# KiCad board sswkbd_right.kicad_pcb (continued)
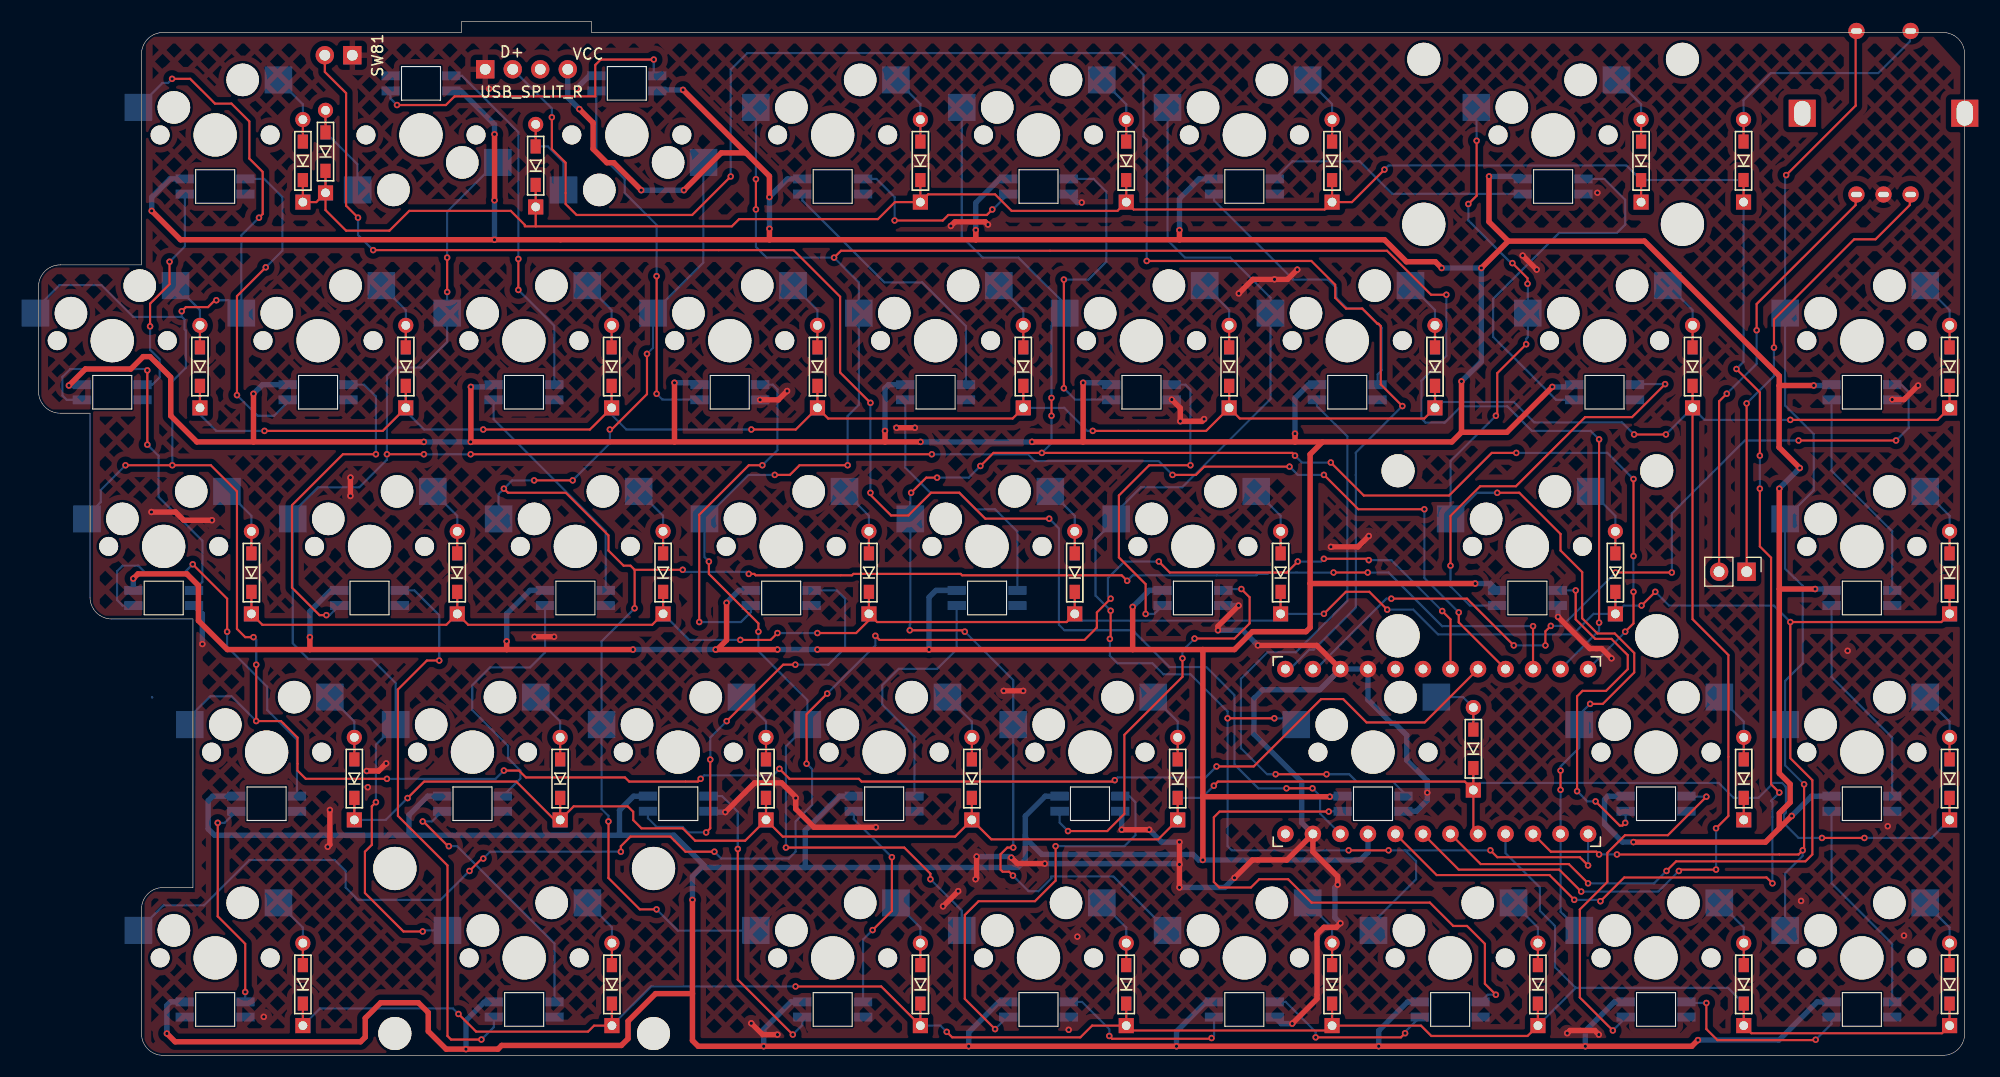
[diagram p0: board, top side]
## Routing (per net, layer and track width the routed paths; a pad name or vN(x,y) marks a point on that pad's centre or on a via; arc(x,y) is an arc through that point) (continued)
(no net): length 0.1
  Bottom w0.2: 10.47,33.05 10.47,33.08 10.49,33.05
col_r_0: length 116.3
  Top w0.2: v1(145.69,18.55) 162.46,18.55 v1(162.84,18.93) 162.97,19.06 v1(162.97,25.03) ; v1(144.04,18.55) 143.79,18.81 139.59,18.81 U2.15 ; 167.8,94.16 167.73,94.16 167.73,87.7 v1(161.31,81.29)
  Bottom w0.2: v1(161.31,81.29) 161.21,81.19 161.21,60.01 163.86,57.37 163.86,52.18 SW48.1 161.21,44.94 162.08,44.08 162.12,44.08 162.84,43.36 162.84,36.2 161.21,34.58 161.21,26.78 v1(162.97,25.03) ; 161.21,11.51 161.21,16.8 162.84,18.42 v1(162.84,18.93) ; v1(144.04,18.55) v1(145.69,18.55)
col_r_1: length 100.9
  Top w0.2: v1(131.98,78.62) 132.74,79.38 v1(132.74,84.46) ; v1(134.52,59.06) 134.64,59.19 134.64,63 v1(137.31,65.67) ; v1(137.44,71.26) 137.44,71.76 v1(136.04,73.16) ; v1(134.64,51.95) 136.68,51.95 140.49,48.14 140.49,46.62 142.48,44.62 142.48,40.36 143.89,38.96 145.49,38.96 147.29,37.16 147.29,35.36 144.39,32.46 v1(143.22,32.46) ; v1(140.49,24.52) v1(140.49,26.3)
  Bottom w0.2: v1(143.22,32.46) 142.21,31.46 142.21,28.41 140.49,26.68 v1(140.49,26.3) ; v1(137.31,65.67) 137.31,66.18 137.46,66.33 137.46,71.23 v1(137.44,71.26) ; v1(134.64,51.95) 132.78,51.95 130.37,49.54 130.34,49.54 130.34,54.89 v1(134.52,59.06) ; v1(140.49,24.52) U2.14 140.49,13.27 SW78.1 ; v1(136.04,73.16) 135.92,73.16 131.98,77.1 v1(131.98,78.62) ; v1(132.74,84.46) 132.74,87.54
col_r_2: length 145
  Top w0.2: v1(124.61,18.93) v1(120.93,18.93) ; v1(143.03,17.54) 142.26,18.3 134.64,18.3 v1(134.01,18.93) ; v1(109.75,31.12) v1(114.07,31.12) ; v1(98.96,41.06) 98.96,38.53 v1(98.89,38.46)
  Bottom w0.2: 123.21,11.51 123.21,12.33 127.15,16.27 127.15,17.92 126.14,18.93 ; 116.12,30.54 SW62.1 115.5,31.12 v1(114.07,31.12) ; v1(98.89,38.46) 98.89,36.91 99.59,36.2 102.82,36.2 103.83,35.19 106.32,35.19 109.75,31.76 v1(109.75,31.12) 109.75,19.31 110.13,18.93 v1(120.93,18.93) ; v1(143.03,17.54) U2.13 ; 126.14,18.93 v1(134.01,18.93) ; 126.14,18.93 v1(124.61,18.93) ; v1(98.96,41.06) 97.56,42.46 97.56,47.64 SW46.1 99.46,50.17 101.75,52.46 105.56,52.46 113.71,60.61 113.71,69.96 110.01,73.67 105.82,73.67 104.21,75.27 104.21,87.56
col_r_3: length 192.8
  Top w0.2: v1(119.28,54.75) 122.33,51.7 130.2,51.7 134.14,55.64 v1(136.4,55.64) ; v1(86.94,54.43) 88.14,55.64 v1(92.61,55.64) 115.72,55.64 v1(115.98,55.38) ; v1(80.54,51.95) 81.94,53.35 v1(82.94,53.35) ; v1(147.22,53.22) v1(147.22,46.11) ; v1(147.22,42.81) 147.22,39.89 v1(146.46,39.13) ; v1(80.42,39.25) 85.37,39.25 v1(85.5,39.13) ; v1(89.94,16.6) 89.58,16.96 88.99,16.96 88.79,17.16 88.79,18.56 89.41,19.19 v1(89.96,19.19) ; v1(93.5,59.06) v1(93.5,60.72)
  Bottom w0.2: v1(93.5,59.06) 93.5,56.52 v1(92.61,55.64) ; v1(136.4,55.64) 144.81,55.64 v1(147.22,53.22) ; v1(82.94,53.35) 85.86,53.35 v1(86.94,54.43) ; v1(80.42,39.25) 80.42,39.76 80.46,39.81 SW45.1 80.46,51.87 v1(80.54,51.95) ; v1(147.22,46.11) v1(147.22,42.81) ; v1(93.5,60.72) 93.5,67.35 94.71,68.56 94.71,69.4 90.45,73.67 87.15,73.67 85.21,75.6 85.21,87.56 ; v1(89.94,16.6) 91.38,15.16 92.29,15.16 93.49,16.36 93.49,16.52 99.21,16.52 104.19,11.54 SW76.1 ; v1(119.28,54.75) 116.61,54.75 v1(115.98,55.38) ; v1(85.5,39.13) 89.96,34.66 v1(89.96,19.19) ; U2.12 146.46,39.1 v1(146.46,39.13) ; 104.21,11.51 104.21,12.38
col_r_4: length 224.2
  Top w0.2: v1(67.95,53.6) 69.35,53.6 70.24,54.49 v1(74.68,54.49) ; v1(73.43,73.67) 74.07,74.3 124.47,74.3 128.53,70.24 v1(129.95,70.24) ; v1(144.04,56.89) v1(144.04,39.96) ; v1(68.99,19.19) 79.91,19.19 82.32,16.77 v1(82.32,16.27) ; v1(61.87,45.6) 61.87,44.46 66.45,39.89 v1(66.45,39.13) ; v1(66.21,80.91) v1(66.21,78.11)
  Bottom w0.2: v1(66.21,80.91) SW11.1 ; v1(61.87,45.6) 61.47,46.01 SW44.1 65.53,53.6 v1(67.95,53.6) ; 85.21,11.51 85.21,13.37 v1(82.32,16.27) ; v1(129.95,70.24) 129.95,64.6 127.64,62.3 127.64,58.81 128.02,58.43 129.8,58.43 131.31,59.93 135.57,59.93 137.84,57.67 143.26,57.67 v1(144.04,56.89) ; U2.11 144.04,39.23 v1(144.04,39.96) ; v1(68.99,19.19) 68.99,28.54 70.96,30.51 70.96,32.81 66.45,37.33 v1(66.45,39.13) ; v1(74.68,54.49) 74.68,59.05 75.71,60.08 75.71,71.39 v1(73.43,73.67) 67.21,73.67 66.21,74.66 v1(66.21,78.11)
col_r_5: length 195.5
  Top w0.2: 55.02,44.84 54.63,45.22 54,45.22 52.6,46.62 52.6,48.02 48.67,51.95 43.33,51.95 v1(42.95,52.33) ; 55.02,44.84 v1(59.46,44.84) ; 55.02,44.84 v1(55.02,41.28) ; v1(52.73,57.79) 52.89,57.79 56.16,61.06 v1(56.16,64.78) ; v1(45.75,53.1) v1(49.3,53.1) ; v1(100.48,43.82) 99.97,44.33 85.24,44.33 85.12,44.46 75.21,44.46 75.08,44.33 66.19,44.33 66.06,44.46 v1(65.56,44.46) ; v1(57.04,13.48) 55.5,13.48 52.6,16.37 v1(52.6,21.6) ; v1(119.53,44.59) v1(122.69,44.59) ; v1(137.95,39.63) U2.10
  Bottom w0.2: 66.19,11.54 66.19,11.54 SW74.1 66.19,11.51 59,11.51 v1(57.04,13.48) ; v1(56.16,64.78) 56.72,65.34 56.72,68.56 61.36,73.21 61.36,82.46 ; v1(45.75,53.1) 43.71,53.1 v1(42.95,52.33) 42.47,51.85 SW43.1 ; v1(119.53,44.59) 113.56,44.59 113.44,44.46 112.55,44.46 112.42,44.33 100.99,44.33 v1(100.48,43.82) ; v1(65.56,44.46) 65.36,44.66 59.65,44.66 v1(59.46,44.84) ; v1(52.6,21.6) 52.6,22.11 51.97,22.75 51.97,38.23 v1(55.02,41.28) ; v1(137.95,39.63) 129.56,39.63 124.61,44.59 v1(122.69,44.59) ; v1(52.73,57.79) 52.73,56.52 v1(49.3,53.1)
col_r_6: length 213.2
  Top w0.2: v1(115.47,54.37) 107.59,54.37 106.83,53.6 v1(104.67,53.6) ; v1(118.64,53.6) 121.82,50.43 v1(127.91,50.43) ; v1(39.88,55.51) v1(82.45,55.51) ; U2.9 131.09,39.99 v1(131.09,40.9) ; v1(31.14,23.38) 30.76,23 30.76,19.44 30.12,18.81 30.12,15 33.68,11.44 v1(35.46,11.44) ; v1(32.16,55.51) v1(35.57,55.51) ; v1(37.72,73.67) v1(37.72,70.49)
  Bottom w0.2: v1(115.47,54.37) 116.23,53.6 v1(118.64,53.6) 118.52,53.6 ; v1(82.45,55.51) 91.34,55.51 91.97,54.87 103.4,54.87 v1(104.67,53.6) ; v1(37.72,73.67) 37.72,77.91 42.26,82.46 42.36,82.46 42.36,82.48 ; v1(131.09,40.9) 127.91,44.08 v1(127.91,50.43) ; v1(39.88,55.51) v1(35.57,55.51) ; v1(31.14,23.38) 31.14,28.69 32.97,30.51 32.97,34.38 30.76,36.59 24.92,36.59 23.47,38.04 SW42.1 23.47,50.12 25.81,52.46 29.62,52.46 32.16,55 v1(32.16,55.51) 32.16,62.75 32.92,63.51 35.33,63.51 37.72,65.89 v1(37.72,70.49) ; v1(35.46,11.44) 35.56,11.54 SW73.1
col_r_7: length 242.1
  Top w0.2: v1(12.32,90.18) 14,90.18 16.28,87.89 17.81,87.89 19.46,86.24 19.46,82.81 20.69,81.58 20.69,77.69 v1(20.34,77.35) ; U2.8 127.94,30.74 122.58,30.74 120.42,32.9 118.39,32.9 112.17,26.68 v1(108.74,26.68) ; v1(8.03,54.49) 15.9,54.49 18.31,52.08 18.31,39.38 19.07,38.62 v1(19.84,38.62) ; v1(32.16,25.54) 24.66,25.54 23.9,26.3 23.9,29.35 22.38,30.87 v1(20.09,30.87) v1(20.09,36.08) ; v1(99.34,25.41) 99.21,25.28 75.97,25.28 75.72,25.54 69.31,25.54 v1(68.39,26.46) ; v1(16.41,69.73) 16.28,69.73 15.65,69.1 13.59,69.1 v1(13.21,68.72) ; v1(42.95,26.3) 44.35,26.3 44.98,25.66 54.13,25.66 54.51,25.28 60.86,25.28 v1(61.11,25.54)
  Bottom w0.2: v1(108.74,26.68) 107.72,25.66 99.59,25.66 v1(99.34,25.41) ; v1(20.09,30.87) 17.81,33.16 15.85,33.16 14.29,31.59 14.29,30.51 ; v1(20.34,77.35) 18.72,75.72 SW25.1 17.52,69.73 v1(16.41,69.73) ; 13.21,68.21 13.19,68.19 8.74,68.19 5.8,71.13 1.93,71.13 0.04,69.24 0.04,68.56 ; 13.21,68.21 13.47,67.95 13.47,67.07 13.59,66.94 13.59,63.49 12.34,62.24 v1(12.34,54.49) ; 13.21,68.21 v1(13.21,68.72) ; v1(32.16,25.54) 42.19,25.54 v1(42.95,26.3) ; v1(20.09,36.08) 20.09,38.36 v1(19.84,38.62) ; v1(12.32,90.18) 11.94,89.8 11.44,89.8 9.6,87.96 ; 4.79,49.54 4.79,50.14 5.74,51.09 5.74,52.21 v1(8.03,54.49) ; 132.87,35.19 U2.8 ; v1(68.39,26.46) 67.79,25.86 61.44,25.86 v1(61.11,25.54)
col_r_8: length 159.3
  Top w0.2: v1(39.78,17.03) 40.92,18.17 v1(41.05,18.17) ; v1(129.56,41.03) 130.33,40.27 U2.7 ; v1(77.24,38.74) 77.62,38.36 96.55,38.36 97.69,39.51 97.69,40.9 v1(98.96,42.17) ; v1(72.8,33.41) 70.89,31.51 v1(70.89,26.93) ; v1(118.64,45.86) 122.66,45.86 v1(122.79,45.73) ; v1(62.38,18.81) 59.72,18.81 58.32,20.2 54.63,20.2 53.75,19.31 v1(53.75,18.81) ; v1(116.23,45.6) 115.21,44.59 104.42,44.59 v1(103.4,45.6)
  Bottom w0.2: v1(72.8,33.41) 77.24,37.86 v1(77.24,38.74) ; v1(41.05,18.17) 41.68,18.81 v1(53.75,18.81) ; v1(62.38,18.81) 63.02,18.17 69.24,18.17 69.88,18.81 69.88,21.6 71.4,23.12 71.4,26.43 v1(70.89,26.93) ; v1(116.23,45.6) 118.39,45.6 v1(118.64,45.86) ; 9.59,11.51 9.59,11.91 11.53,13.85 15.26,13.85 19.46,18.04 27.33,18.04 28.35,17.03 28.35,15.5 29.49,14.36 37.11,14.36 v1(39.78,17.03) ; v1(129.56,41.03) 124.87,45.73 v1(122.79,45.73) ; v1(98.96,42.17) 98.7,42.43 98.7,44.08 100.23,45.6 v1(103.4,45.6)
LED_R: length 76.9
  Top w0.2: v1(171.46,56.78) v1(162.46,56.78) ; v1(139.09,37.86) 139.09,39.16 v1(139.59,39.66) ; v1(136.17,37.86) 131.85,42.17 v1(124.87,42.17) ; v1(150.75,44.59) v1(145.57,44.59)
  Bottom w0.2: 171.1,61.96 171.12,61.94 171.92,61.94 172.62,61.24 172.62,57.94 v1(171.46,56.78) ; v1(162.46,56.78) 157.49,56.78 150.75,50.05 v1(150.75,44.59) ; U2.2 117.9,35.67 124.4,42.17 v1(124.87,42.17) ; v1(139.59,39.66) 140.64,39.66 v1(145.57,44.59) ; v1(139.09,37.86) v1(136.17,37.86)
row5: length 279.9
  Top w0.2: v1(156.72,63.38) 158.88,61.22 v1(158.88,55.38) ; D9.1 25.63,78.8 D8.1 D8.1 ; D9.1 D9.1 ; D9.1 26.49,78.06 28.39,76.16 32.39,76.16 34.22,77.99 43.59,77.99 44.89,76.69 44.89,76.56 45.89,76.56 ; U2.20 129.05,16.65 139.47,16.65 v1(141.76,14.36) ; v1(124.23,81.8) 121.23,78.8 D13.1 ; D12.1 D12.1 ; D12.1 99.59,77.99 89.81,77.99 88.29,79.51 82.11,79.51 D11.1 ; D12.1 101.08,78.11 118.72,78.11 D13.1 ; D14.1 D14.1 ; v1(158.88,52.33) 158.88,47 159.92,45.96 159.92,25.03 v1(160.68,24.27) ; 45.89,76.56 D10.1 D10.1 ; 45.89,76.56 64,76.56 64.66,77.23 77.48,77.23 79.05,78.8 D11.1 ; D15.1 D15.1 ; D11.1 D11.1 ; D13.1 D13.1 ; v1(160.05,15.88) 159.5,16.43 146.36,16.43 v1(144.17,14.23)
  Bottom w0.2: v1(144.17,14.23) 144.04,14.36 v1(141.76,14.36) ; D13.1 D13.1 ; 157.37,80.83 D15.1 ; D15.1 D15.1 157.38,64.04 v1(156.72,63.38) ; D15.1 147.93,80.84 D14.1 ; D14.1 D14.1 ; D14.1 146.57,82.18 124.61,82.18 v1(124.23,81.8) ; v1(158.88,55.38) v1(158.88,52.33) ; v1(160.68,24.27) 159.92,23.5 160.05,23.38 v1(160.05,15.88) ; D11.1 D11.1 ; D8.1 D8.1 ; D10.1 D10.1 ; D9.1 D9.1 ; D12.1 D12.1
row6: length 285.5
  Top w0.2: D28.1 D28.1 89.91,58.81 72.88,58.81 D27.1 ; D30.1 D30.1 127.91,58.81 110.88,58.81 D29.1 ; D25.1 D25.1 31.77,57.67 v1(20.85,57.67) ; v1(65.79,57.79) 69.9,57.79 D27.1 ; D26.1 D26.1 50.9,57.79 v1(41.05,57.79) ; v1(154.84,17.16) 151.54,17.16 v1(151.41,17.03) ; D29.1 107.77,57.67 v1(97.31,57.67) ; D29.1 D29.1 ; U2.19 131.08,17.16 140.36,17.16 v1(142.39,15.12) ; v1(147.28,57.34) v1(150.21,57.34) ; D27.1 D27.1 ; v1(161.7,58.68) 175.29,58.68 D32.1 D32.1 ; v1(154.84,20.97) 155.98,22.11 155.98,36.97 152.67,40.28 D31.1 D31.1 ; D24.1 D24.1
  Bottom w0.2: D28.1 D28.1 94.67,59.8 96.8,57.67 v1(97.31,57.67) ; v1(151.41,17.03) 149.5,15.12 v1(142.39,15.12) ; v1(65.79,57.79) 54.25,57.79 52.9,59.15 D26.1 D26.1 ; D31.1 v1(150.21,57.34) ; D31.1 153.78,58.68 v1(161.7,58.68) ; D31.1 D31.1 ; D32.1 D32.1 ; D24.1 D24.1 14.9,59.18 16.41,57.67 v1(20.85,57.67) ; D30.1 D30.1 129.44,60.33 136.18,60.33 138.06,58.46 146.16,58.46 v1(147.28,57.34) ; D27.1 D27.1 ; v1(154.84,20.97) v1(154.84,17.16) ; v1(41.05,57.79) 35.59,57.79 33.9,59.48 D25.1 D25.1 ; D29.1 D29.1
row7: length 258.7
  Top w0.2: D48.1 D48.1 175.64,40.01 v1(161.7,40.01) 161.7,27.44 163.73,25.41 163.73,18.55 163.09,17.92 151.15,17.92 v1(150.27,17.03) ; D42.1 39.66,39.76 56.64,39.76 D43.1 D43.1 ; D42.1 D42.1 ; D42.1 37.64,39.76 20.66,39.76 D41.1 D41.1 ; D47.1 D47.1 ; v1(143.03,15.88) 141.25,17.66 133.11,17.66 U2.18 ; D44.1 76.65,40.18 75.46,39 v1(71.89,39) ; D44.1 77.4,40.01 94.89,40.01 D45.1 D45.1 ; D44.1 D44.1 ; v1(149.23,42.81) v1(147.96,41.54) ; v1(118.64,40.78) 120.68,42.81 122.84,42.81 v1(124.49,41.16) ; v1(64.78,38.36) 67.57,38.36 v1(68.2,39) ; D46.1 D46.1
  Bottom w0.2: D46.1 118.64,40.77 v1(118.64,40.78) ; D46.1 114.02,40.14 96.27,40.14 D45.1 D45.1 ; D46.1 D46.1 ; D47.1 146.32,41.54 v1(147.96,41.54) ; D47.1 D47.1 ; D47.1 143.53,40.77 141.63,38.87 129.18,38.87 126.9,41.16 v1(124.49,41.16) ; v1(64.78,38.36) 60.05,38.36 D43.1 D43.1 ; D41.1 D41.1 ; v1(68.2,39) v1(71.89,39) ; v1(161.7,40.01) 160.17,41.54 150.5,41.54 v1(149.23,42.81) ; D48.1 D48.1 ; D44.1 D44.1 ; v1(150.27,17.03) 149.12,15.88 v1(143.03,15.88) ; D42.1 D42.1
row8: length 200.2
  Top w0.2: D62.1 131.65,25.28 108.86,25.28 v1(108.48,24.9) ; D62.1 132.44,20.88 U2.17 ; D62.1 D62.1 ; D58.1 47.63,21.75 44.09,25.28 35.59,25.28 v1(34.06,23.76) ; D58.1 D58.1 ; D58.1 49.4,23 54.38,23 54.89,22.49 54.89,21.73 55.65,20.97 59.46,20.97 60.6,19.82 65.22,19.82 D59.1 ; D60.1 87.94,19.95 103.35,19.95 D61.1 D61.1 ; D60.1 D60.1 ; D60.1 84.6,20.2 68.69,20.2 D59.1 ; D64.1 D64.1 ; D59.1 D59.1 ; D63.1 D63.1 ; D57.1 D57.1 ; v1(168.54,20.08) v1(164.62,20.08)
  Bottom w0.2: D61.1 D61.1 107.36,23.78 v1(108.48,24.9) ; D59.1 D59.1 ; D58.1 D58.1 ; v1(164.62,20.08) 162.46,20.08 161.12,21.41 161.12,22.26 161.28,22.41 161.28,24.81 160.93,25.16 160.13,25.16 158.75,23.78 D63.1 ; D64.1 D64.1 174.73,20.08 v1(168.54,20.08) ; D57.1 D57.1 32.05,21.75 v1(34.06,23.76) ; D63.1 D63.1 ; D63.1 156.47,23.78 155.09,25.16 133.09,25.16 D62.1 D62.1 ; D60.1 D60.1
row9: length 210.9
  Top w0.2: D72.1 D72.1 ; D75.1 100.85,2.3 118.95,2.3 D76.1 ; D75.1 97.25,2.75 96.16,1.66 84.33,1.66 v1(83.83,2.17) ; D75.1 D75.1 ; D76.1 D76.1 ; D76.1 127.6,2.75 128.56,1.79 137.44,1.79 D77.1 D77.1 ; v1(38.76,3.82) 40.39,2.19 50.72,2.19 51.27,2.75 D73.1 D73.1 ; D79.1 D79.1 175.69,2.04 158.1,2.04 D78.1 D78.1 ; v1(69.88,6.36) 77.78,6.36 D74.1 D74.1
  Bottom w0.2: 141.88,6.23 155.94,6.23 D78.1 D78.1 ; 141.88,6.23 139.98,8.14 139.98,11.95 138.58,13.34 138.58,15.5 135.41,18.68 U2.16 ; 141.88,6.23 D77.1 D77.1 ; v1(83.83,2.17) 83.25,2.75 D74.1 D74.1 ; D73.1 D73.1 56.54,6.36 v1(69.88,6.36) ; D76.1 D76.1 ; D79.1 D79.1 ; D75.1 D75.1 ; D72.1 D72.1 25.98,4.33 38.25,4.33 v1(38.76,3.82)
RST_R: length 152.2
  Top w0.2: v1(93.29,49.56) 87.39,49.56 84.99,51.96 82.39,51.96 80.29,49.86 78.69,49.86 76.79,51.76 v1(76.79,51.95) ; v1(30.89,74.36) 69.69,74.36 73.99,70.06 73.99,63.06 v1(76.79,60.26) ; v1(115.19,24.66) v1(117.59,24.66) ; SW81.2 26.42,90.82 28.39,88.86 28.39,78.46 v1(29.49,77.36)
  Bottom w0.2: v1(93.29,49.56) 94.19,48.66 94.19,39.76 94.69,39.26 100.99,39.26 104.39,35.86 107.79,35.86 110.39,33.26 110.39,26.86 112.59,24.66 v1(115.19,24.66) ; v1(30.89,74.36) 29.49,75.76 v1(29.49,77.36) ; v1(117.59,24.66) 118.29,23.96 118.29,22.33 U2.22 ; v1(76.79,51.95) v1(76.79,60.26)
SPLIT_R: length 160.6
  Top w0.2: v1(102.29,73.36) 117.49,73.36 119.69,71.16 119.69,69.96 120.69,68.96 122.19,68.96 123.59,67.56 123.69,67.56 123.89,67.36 123.89,61.96 v1(125.89,59.96) ; v1(63.89,81.16) 60.33,77.61 49.66,77.61 48.65,78.62 48.65,82.43 47.38,83.7 v1(47.38,86.62)
  Bottom w0.2: v1(47.38,86.62) 47.38,87.45 J3.2 ; v1(125.89,59.96) 121.59,55.66 121.59,41.36 117.69,37.46 117.29,37.46 115.5,35.67 U2.1 ; v1(63.89,81.16) 63.89,91.04 65.41,92.56 99.99,92.56 101.99,90.56 101.99,84.86 102.29,84.56 v1(102.29,73.36)
Net-(D8-A): length 8.7
  Top w0.2: D8.2 D8.2
  Bottom w0.2: 22.14,90.1 SW8.2 24.4,87.83 D8.2 D8.2
Net-(D9-A): length 10.6
  Top w0.2: D9.2 D9.2
  Bottom w0.2: 29.43,79.92 29.43,82.29 D9.2 D9.2
Net-(D10-A): length 9.8
  Top w0.2: D10.2 D10.2
  Bottom w0.2: D10.2 D10.2 47.01,83.93 48.43,82.51 48.43,79.92
Net-(D11-A): length 8.7
  Top w0.2: D11.2 D11.2
  Bottom w0.2: SW11.2 79.17,90.08 81.4,87.85 D11.2 D11.2
Net-(D12-A): length 8.7
  Top w0.2: D12.2 D12.2
  Bottom w0.2: D12.2 D12.2 100.4,87.83 SW12.2 98.14,90.1
Net-(D13-A): length 8.7
  Top w0.2: D13.2 D13.2
  Bottom w0.2: D13.2 D13.2 119.4,87.85 117.17,90.08 SW13.2
Net-(D14-A): length 8.7
  Top w0.2: D14.2 D14.2
  Bottom w0.2: D14.2 D14.2 147.92,87.83 145.67,90.08 145.67,90.1
Net-(D15-A): length 24.1
  Top w0.2: D15.2 D15.2
  Bottom w0.2: D15.2 D15.2 157.38,88.2 159.89,90.71 169.81,90.71 172.73,93.62 172.73,94.16 172.8,94.16
Net-(D24-A): length 8.7
  Top w0.2: D24.2 D24.2
  Bottom w0.2: 12.64,71.1 SW24.2 14.9,68.83 D24.2 D24.2
Net-(D25-A): length 8.7
  Top w0.2: D25.2 D25.2
  Bottom w0.2: D25.2 D25.2 33.9,68.83 SW25.2 31.64,71.1
Net-(D26-A): length 8.7
  Top w0.2: D26.2 D26.2
  Bottom w0.2: 50.64,71.1 SW26.2 52.9,68.83 D26.2 D26.2
Net-(D27-A): length 8.7
  Top w0.2: D27.2 D27.2
  Bottom w0.2: 69.64,71.1 SW27.2 71.9,68.83 D27.2 D27.2
Net-(D28-A): length 8.7
  Top w0.2: D28.2 D28.2
  Bottom w0.2: D28.2 D28.2 90.9,68.83 SW28.2 88.64,71.1
Net-(D29-A): length 8.7
  Top w0.2: D29.2 D29.2
  Bottom w0.2: 107.64,71.1 SW29.2 109.9,68.83 D29.2 D29.2
Net-(D30-A): length 8.7
  Top w0.2: D30.2 D30.2
  Bottom w0.2: 126.64,71.1 SW30.2 128.9,68.83 D30.2 D30.2
Net-(D31-A): length 8.7
  Top w0.2: D31.2 D31.2
  Bottom w0.2: D31.2 D31.2 152.67,68.83 150.42,71.08 150.42,71.1
Net-(D32-A): length 8.7
  Top w0.2: D32.2 D32.2
  Bottom w0.2: 174.14,71.1 SW32.2 176.4,68.83 D32.2 D32.2
Net-(D41-A): length 8.7
  Top w0.2: D41.2 D41.2
  Bottom w0.2: D41.2 D41.2 19.65,49.83 17.39,52.08
Net-(D42-A): length 8.7
  Top w0.2: D42.2 D42.2
  Bottom w0.2: D42.2 D42.2 38.65,49.83 36.39,52.08
Net-(D43-A): length 8.7
  Top w0.2: D43.2 D43.2
  Bottom w0.2: 55.39,52.08 57.65,49.83 D43.2 D43.2
Net-(D44-A): length 8.7
  Top w0.2: D44.2 D44.2
  Bottom w0.2: SW44.2 76.65,49.83 D44.2 D44.2
Net-(D45-A): length 8.7
  Top w0.2: D45.2 D45.2
  Bottom w0.2: D45.2 D45.2 95.65,49.83 SW45.2
Net-(D46-A): length 8.7
  Top w0.2: D46.2 D46.2
  Bottom w0.2: D46.2 D46.2 114.65,49.83 SW46.2
Net-(D47-A): length 8.7
  Top w0.2: D47.2 D47.2
  Bottom w0.2: SW47.2 143.29,52.08 145.55,49.83 D47.2 D47.2
Net-(D48-A): length 8.7
  Top w0.2: D48.2 D48.2
  Bottom w0.2: SW48.2 176.4,49.83 D48.2 D48.2
Net-(D57-A): length 8.7
  Top w0.2: D57.2 D57.2
  Bottom w0.2: 26.89,33.05 26.92,33.05 29.15,30.83 D57.2 D57.2
Net-(D58-A): length 8.7
  Top w0.2: D58.2 D58.2
  Bottom w0.2: 45.89,33.05 45.92,33.05 48.15,30.83 D58.2 D58.2
Net-(D59-A): length 8.7
  Top w0.2: D59.2 D59.2
  Bottom w0.2: D59.2 D59.2 67.15,30.83 64.92,33.05 64.89,33.05
Net-(D60-A): length 8.7
  Top w0.2: D60.2 D60.2
  Bottom w0.2: 83.89,33.05 83.92,33.05 86.15,30.83 D60.2 D60.2
Net-(D61-A): length 8.7
  Top w0.2: D61.2 D61.2
  Bottom w0.2: D61.2 D61.2 105.15,30.83 102.92,33.05 102.89,33.05
Net-(D62-A): length 7.9
  Top w0.2: 132.44,30.08 D62.2
  Bottom w0.2: SW62.2 131.48,33.08 D62.2 132.44,30.08
Net-(D63-A): length 8.7
  Top w0.2: D63.2 D63.2
  Bottom w0.2: D63.2 D63.2 157.4,30.83 155.17,33.05 155.14,33.05
Net-(D64-A): length 8.7
  Top w0.2: D64.2 D64.2
  Bottom w0.2: D64.2 D64.2 176.4,30.83 174.17,33.05 174.14,33.05
Net-(D72-A): length 8.7
  Top w0.2: D72.2 D72.2
  Bottom w0.2: SW72.2 22.14,14.05 24.4,11.8 D72.2 D72.2
Net-(D73-A): length 8.7
  Top w0.2: D73.2 D73.2
  Bottom w0.2: D73.2 D73.2 52.92,11.83 SW73.2
Net-(D74-A): length 8.7
  Top w0.2: D74.2 D74.2
  Bottom w0.2: SW74.2 79.14,14.05 81.4,11.8 D74.2 D74.2
Net-(D75-A): length 8.7
  Top w0.2: D75.2 D75.2
  Bottom w0.2: SW75.2 98.14,14.05 100.4,11.8 D75.2 D75.2
Net-(D76-A): length 8.7
  Top w0.2: D76.2 D76.2
  Bottom w0.2: D76.2 D76.2 119.4,11.8 117.14,14.05 SW76.2
Net-(D77-A): length 8.7
  Top w0.2: D77.2 D77.2
  Bottom w0.2: SW77.2 136.14,14.05 138.4,11.8 D77.2 D77.2
Net-(D78-A): length 8.7
  Top w0.2: D78.2 D78.2
  Bottom w0.2: 155.14,14.05 155.17,14.05 157.4,11.83 D78.2 D78.2
Net-(D79-A): length 8.7
  Top w0.2: D79.2 D79.2
  Bottom w0.2: SW79.2 174.14,14.05 176.4,11.8 D79.2 D79.2
Net-(J4-Pin_1): length 42.3
  Top w0.2: v1(160.19,65.36) 160.19,67.96 167.59,75.36 169.56,75.36 172.73,78.52 172.73,79.42 SW15.B ; v1(157.66,60.21) J4.1
  Bottom w0.2: v1(157.66,60.21) 160.19,62.73 v1(160.19,65.36)
Net-(J4-Pin_2): length 40.1
  Top w0.2: SW15.A 167.73,79.42 167.73,78.52 158.59,69.39 v1(158.59,66.96) ; v1(155.83,61.1) 155.12,60.39 155.12,44.66
  Bottom w0.2: v1(155.83,61.1) 158.59,63.86 v1(158.59,66.96)
Net-(LED39-DOUT): length 19.9
  Bottom w0.2: LED40.4 171.1,48.39 165.5,53.99 165.5,60.56
Net-(LED40-DOUT): length 19.9
  Bottom w0.2: LED40.2 165.5,34.94 171.1,29.34 LED41.4
Net-(LED41-DOUT): length 19.9
  Bottom w0.2: 165.5,22.51 165.5,15.89 171.1,10.29 LED42.4
Net-(LED42-DOUT): length 17.6
  Top w0.2: v1(164.04,1.44) 164,1.41 154.96,1.41 153.95,2.42 v1(153.95,4.84)
  Bottom w0.2: v1(153.95,4.84) 152.2,4.84 LED43.4 152.1,4.91 ; 165.5,3.54 165.5,2.91 v1(164.04,1.44)
Net-(LED43-DOUT): length 33.6
  Top w0.2: v1(145.31,2.3) 142.26,5.34 142.26,13.47 144.81,16.01 144.81,18.7 146.44,20.33 150.39,20.33 v1(153.95,23.89)
  Bottom w0.2: 152.1,23.91 LED44.4 152.15,23.89 v1(153.95,23.89) ; v1(145.31,2.3) 146.5,3.48 146.5,3.54
Net-(LED44-DOUT): length 33.2
  Top w0.2: v1(143.72,23.45) 145.95,21.22 146.2,21.22 v1(146.46,21.47) ; v1(142.01,24.39) 142.01,33.16 142.51,33.66 144.69,33.66 146.69,35.66 146.69,36.96 145.19,38.46 143.69,38.46 141.88,40.26 v1(141.88,42.94)
  Bottom w0.2: v1(141.88,42.94) 140.25,42.94 ; v1(143.72,23.45) 142.95,23.45 v1(142.01,24.39) ; 146.5,22.51 146.5,21.52 v1(146.46,21.47)
Net-(LED45-DOUT): length 39.2
  Top w0.2: v1(130.33,45.22) 130.33,49.81 133.07,52.55 136.37,52.55 142.75,58.94 147.09,58.94 v1(150.14,61.99)
  Bottom w0.2: 147.38,61.94 LED46.4 147.4,61.99 v1(150.14,61.99) ; LED45.2 132.11,41.54 130.33,43.32 v1(130.33,45.22)
Net-(LED46-DOUT): length 35.4
  Bottom w0.2: LED46.2 140.07,60.54 134.26,66.34 134.26,69.86 140.36,75.96 145.69,75.96 146.46,76.72 146.46,79 144.52,80.94 142.65,80.94 142.62,80.96
Net-(LED47-DOUT): length 24.8
  Bottom w0.2: 137.02,79.54 137,79.56 124.94,79.56 121.94,82.56 115.72,82.56 LED48.4
Net-(LED48-DOUT): length 26.9
  Bottom w0.2: 108.5,79.56 108.5,78.95 115.81,71.64 119.02,71.64 119.79,70.88 119.79,69.99 120.8,68.97 122.2,68.97 123.98,67.19 123.98,63.26 123.6,62.88 LED49.4
Net-(LED49-DOUT): length 56
  Top w0.2: v1(118.89,25.96) v1(114.19,25.96)
  Bottom w0.2: v1(114.19,25.96) 113.39,25.96 110.99,28.37 110.99,34.77 113.44,37.22 116.05,37.22 120.8,41.97 120.8,57.16 119.66,58.3 119.65,58.3 118,59.95 LED49.2 ; v1(118.89,25.96) 120.99,25.96 121.69,25.26 125.02,25.26 125.98,24.3 LED50.4
Net-(LED50-DOUT): length 53
  Top w0.2: v1(134.52,5.6) 133.5,6.61 133.5,10.3 131.85,11.95 130.58,11.95 128.42,14.11 117.5,14.11 115.34,16.27 112.67,16.27 111.91,15.5 108.99,15.5 108.48,16.01 108.48,21.98 109.01,22.51 v1(119.09,22.51)
  Bottom w0.2: 120.4,22.54 119.11,22.54 v1(119.09,22.51) ; 133.1,4.91 LED51.4 133.76,5.6 v1(134.52,5.6)
Net-(LED51-DOUT): length 15.9
  Top w0.2: v1(117.88,1.66) 125.75,1.66 v1(126.14,2.04)
  Bottom w0.2: LED52.4 115.11,4.94 117.88,2.17 v1(117.88,1.66) ; v1(126.14,2.04) 126.14,2.17 127.5,3.54
Net-(LED52-DOUT): length 17
  Top w0.2: v1(108.27,1.6) 108.21,1.53 99.08,1.53 v1(98.83,1.79)
  Bottom w0.2: v1(108.27,1.6) 108.5,1.82 108.5,3.54 ; v1(98.83,1.79) 98.83,2.42 96.32,4.94 LED53.4
Net-(LED53-DOUT): length 38.7
  Top w0.2: v1(93.88,19.31) 93.88,16.14 91.97,14.23 86.77,14.23 85.5,12.96 85.5,5.22 v1(88.29,2.42)
  Bottom w0.2: v1(88.29,2.42) 89.4,3.54 89.5,3.54 ; 99.85,23.91 99.88,23.94 100.69,23.94 101.24,23.38 101.24,20.33 100.23,19.31 v1(93.88,19.31)
Net-(LED54-DOUT): length 37.8
  Top w0.2: v1(95.02,20.71) 98.64,20.71 100.23,22.3 100.23,29.6 105.59,34.96 v1(105.59,36.66) ; v1(111.02,43.06) 111.79,42.3 111.79,39.89 110.39,38.49 v1(106.7,38.49)
  Bottom w0.2: LED56.4 109.48,43.06 v1(111.02,43.06) ; v1(95.02,20.71) 94.25,21.48 94.25,22.54 ; v1(106.7,38.49) 105.59,37.37 v1(105.59,36.66)
Net-(LED55-DIN): length 30.5
  Top w0.2: v1(106.32,54.49) 102.51,54.49 99.72,51.7 99.72,45.98 102.19,43.52 v1(102.19,40.76)
  Bottom w0.2: v1(106.32,54.49) 106.32,61.48 105.87,61.94 LED55.4 ; LED56.2 102.97,40.76 v1(102.19,40.76)
Net-(LED55-DOUT): length 29.9
  Top w0.2: v1(94.64,61.6) v1(94.64,71.64)
  Bottom w0.2: 95.1,80.96 95.12,80.94 97.39,80.94 98.56,79.77 98.56,73.29 96.91,71.64 v1(94.64,71.64) ; v1(94.64,61.6) 95.68,60.56 98.98,60.56 LED55.2
Net-(LED57-DOUT): length 17.3
  Top w0.2: v1(88.04,78.11) 87.53,77.61 83.97,77.61 83.46,77.1 v1(79.02,77.1)
  Bottom w0.2: v1(88.04,78.11) 88.08,78.11 LED57.2 ; v1(79.02,77.1) 79.02,79.26 77.34,80.94 LED58.4
Net-(LED58-DOUT): length 25.9
  Bottom w0.2: LED58.2 70.5,78.95 78.07,71.38 81.56,71.38 85.6,67.34 LED59.4
Net-(LED59-DOUT): length 24.5
  Bottom w0.2: LED59.2 80,54.27 82.32,51.95 84.99,51.95 86.51,50.43 88.29,50.43 90.35,48.37 LED60.4
Net-(LED60-DOUT): length 23.8
  Bottom w0.2: LED61.4 80.85,29.42 77.88,32.39 77.88,34.17 79.4,35.7 82.96,35.7 84.75,37.49 LED60.2
Net-(LED61-DOUT): length 20.2
  Top w0.2: v1(78.76,18.3) 78.76,13.34 v1(76.99,11.57)
  Bottom w0.2: v1(78.76,18.3) 75.25,21.81 75.25,22.54 ; LED62.4 76.1,10.68 v1(76.99,11.57)
Net-(LED62-DOUT): length 27.9
  Top w0.2: v1(64.54,19.06) 64.54,7 v1(69.62,1.91)
  Bottom w0.2: v1(69.62,1.91) 70.5,2.79 70.5,3.54 ; 61.88,23.94 63.09,23.94 64.54,22.49 v1(64.54,19.06)
Net-(LED63-DOUT): length 39.3
  Top w0.2: v1(61.62,20.58) 62,20.97 v1(62,27.31) ; v1(63.52,30.86) 68.73,36.08 v1(69.86,36.08)
  Bottom w0.2: v1(62,27.31) 62,29.35 v1(63.52,30.86) ; 56.25,22.51 56.25,21.9 57.06,21.09 59.46,21.09 59.97,20.58 v1(61.62,20.58) ; v1(69.86,36.08) 72.9,36.08 74.45,37.62 74.45,42.17 73.68,42.94 LED64.4
Net-(LED64-DOUT): length 32.7
  Top w0.2: v1(66.81,54.49) 65.56,54.49 60.99,49.92 v1(60.99,40.01)
  Bottom w0.2: LED64.2 65.75,40.92 64.84,40.01 v1(60.99,40.01) ; v1(66.81,54.49) 68.2,55.89 68.2,61.5 67.76,61.94 LED66.4
Net-(LED65-DIN): length 34.5
  Top w0.2: v1(57.05,61.1) v1(57.05,71.96)
  Bottom w0.2: v1(57.05,61.1) 57.58,60.56 60.97,60.56 LED66.2 ; 51.47,89.09 51.47,83.54 54.11,80.91 54.11,79.64 57.05,76.7 v1(57.05,71.96)
Net-(LED65-DOUT): length 30.3
  Top w0.2: v1(56.79,91.96) 51.89,91.96 51.39,91.46 51.39,88.56 38.4,88.56 37.6,87.76 v1(33.09,87.76)
  Bottom w0.2: 57.07,90.46 56.79,90.75 v1(56.79,91.96) ; 32.47,89.09 32.47,88.37 v1(33.09,87.76)
Net-(LED67-DOUT): length 33.1
  Top w0.2: v1(44.29,70.68) v1(44.29,73.54)
  Bottom w0.2: v1(44.29,70.68) 47.6,67.37 47.6,61.94 ; 38.07,90.49 38.1,90.46 39.08,90.46 44.29,85.26 v1(44.29,73.54)
Net-(LED68-DOUT): length 21.9
  Bottom w0.2: LED69.4 52.35,48.4 42,58.75 42,60.56
Net-(LED69-DOUT): length 25.1
  Bottom w0.2: 42.85,23.91 LED70.4 44.47,25.56 44.47,26.3 43.33,27.44 43.33,28.58 40.03,31.89 40.03,34.17 41.68,35.82 45.36,35.82 46.75,37.21 LED69.2
Net-(LED70-DOUT): length 24.4
  Top w0.2: v1(35.46,21.6) 35.51,21.6 37.8,19.31 v1(37.87,19.31)
  Bottom w0.2: 47.62,4.91 47.62,10.32 38.63,19.31 v1(37.87,19.31) ; v1(35.46,21.6) 36.31,21.6 37.25,22.54
Net-(LED71-DOUT): length 53.4
  Top w0.2: v1(36.98,36.46) 35.84,36.46 33.17,33.79 33.17,22.11 37.74,17.54 37.74,1.79 38.07,1.46 v1(40.87,1.46)
  Bottom w0.2: 42.03,3.54 42.03,2.61 v1(40.87,1.46) ; LED72.4 34.69,42.94 36.98,40.65 v1(36.98,36.46)
Net-(LED72-DOUT): length 31.4
  Top w0.2: v1(26.57,40.65) 25.93,40.65 23.39,43.19 23.39,50.81 28.09,55.51 v1(31.14,55.51)
  Bottom w0.2: v1(31.14,55.51) 31.14,60.84 30.05,61.94 28.62,61.94 28.6,61.96 ; v1(26.57,40.65) 26.86,40.65 LED72.2
Net-(LED73-DOUT): length 30.3
  Top w0.2: v1(18.31,60.97) 18.31,70.11 v1(20.97,72.77)
  Bottom w0.2: 19.1,80.94 20.82,80.94 22.5,79.26 22.5,74.3 v1(20.97,72.77) ; LED73.2 23,60.32 21.74,59.06 20.22,59.06 v1(18.31,60.97)
Net-(LED74-DOUT): length 20.5
  Top w0.2: v1(12.09,73.29) 12.09,71.21 10.29,69.42 v1(10.29,67.32)
  Bottom w0.2: v1(10.29,67.32) 10.29,65.16 11.18,64.27 11.18,62.62 10.5,61.94 9.6,61.94 9.6,61.96 ; 13.5,79.56 13.5,74.7 v1(12.09,73.29)
Net-(LED75-DOUT): length 34.9
  Top w0.2: v1(10.04,63.26) v1(10.04,56.4)
  Bottom w0.2: 9.02,63.38 2.93,63.38 2.2,62.66 2.2,60.93 2.6,60.54 LED75.2 ; LED76.4 15.12,43.71 15.12,47.53 11.07,51.57 11.07,55.36 v1(10.04,56.4) ; v1(10.04,63.26) 9.91,63.38 8.77,63.38
